# KiCad board 0xaxe.kicad_pcb (continued)
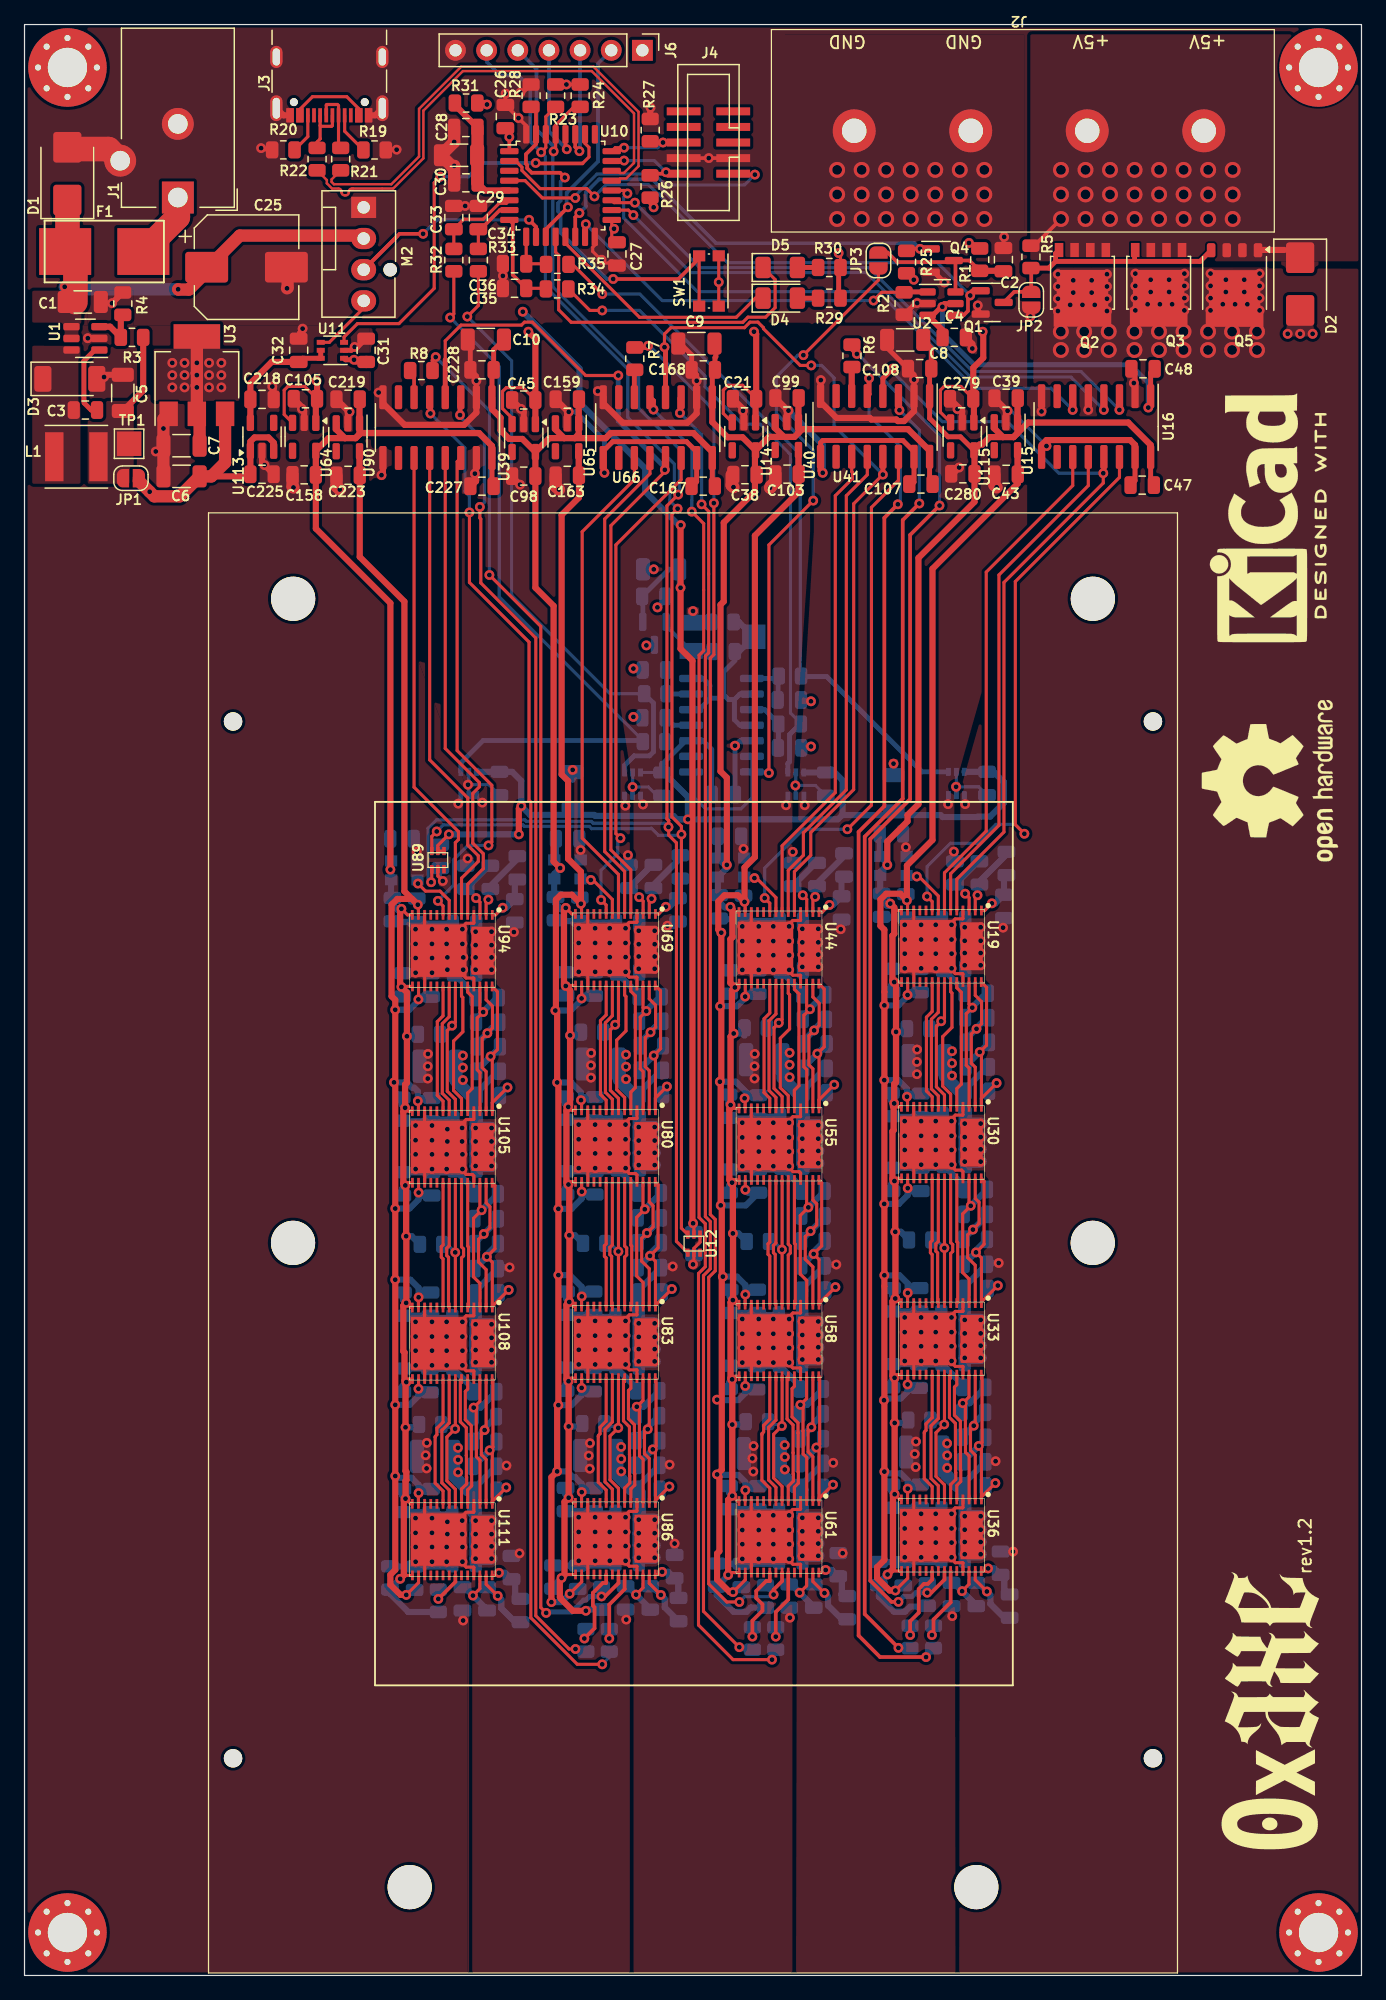
[diagram p0: board, top side]
## Routing (per net, layer and track width the routed paths; a pad name or vN(x,y) marks a point on that pad's centre or on a via; arc(x,y) is an arc through that point) (continued)
  Top w0.4: C8.2 70.33,132.66 C108.2 72.52,130.47 U41.2 ; U16.15 90.54,121.83 C47.2
  Top w0.5: v1(64.92,130.02) 64.9,130 U41.8 64.9,128.24 66.2,126.94 68.92,126.94 69.04,126.81 71.07,126.81 71.2,126.68 71.71,126.68 72.52,127.49 U41.2 ; U115.2 76.45,127.5 C279.2 ; U16.9 82.92,124.73 83.32,125.14 90.14,125.14 90.54,124.73 U16.15 ; v1(76.2,122.9) 75.7,122.4 75.55,122.4
  Top w0.508: C39.2 80.01,127.61 U15.2
  Top w1: v1(79.25,121.28) 79.08,121.46 C43.2
  Bottom w0.254: v1(75.29,95.46) 75.32,95.49 U4.3 ; v1(80.15,127.52) 80.45,127.52 v1(83.32,124.65) ; v1(63.61,95.37) 63.53,95.45 U5.1
  Bottom w0.508: C51.2 74.57,65.82 C58.1 C71.2 ; C51.2 76.57,64.39 C87.2 ; C51.2 C72.2 C62.2 73.21,70.11 C68.1 70.69,69.97 C85.2 ; C148.2 63.4,56 64.39,56.99 ; C97.2 75.58,29.34 v1(75.64,29.29) ; 76.5,80.05 76.5,80.38 C50.2 74.75,82.03 74.65,82.03 74.35,82.33 74.05,82.03 C55.1 73.01,82.04 72.95,82.33 C86.2 ; C73.2 C64.1 73.14,53.95 74.73,53.95 74.68,53.9 74.68,49.95 ; 74.35,85.33 74.85,85.83 74.85,86.03 C59.2 72,86.08 C53.1 71.84,86.22 69.93,86.22 C78.2 ; 64.39,56.99 C137.1 ; 64.39,56.99 65.33,57.94 v1(66.19,57.94) ; v1(75.77,91.59) 75.85,91.51 C41.1 ; C92.2 76.44,48.19 74.68,49.95 ; 74.68,49.95 74.52,49.79 C66.1 72.89,49.82 C83.2 ; C122.1 C132.1 C111.1 ; C80.2 C61.1 73.2,37.94 C54.2 C76.2 C65.2 74.51,33.68 69.69,33.68 69.67,33.7 ; C106.2 66.61,85.34 v1(66.54,85.27) ; 75.25,83.83 74.8,84.03 C70.2 ; v1(63.41,35.2) 63.42,35.21 C136.1 63.42,36.19 v1(63.41,36.2) ; v1(63.41,37.3) 63.42,37.31 C114.1 63.2,38.03 63.2,39.83 C149.1 65.88,41.73 v1(65.93,41.78) ; C119.1 63.46,84 C130.1 63.51,82 C110.1 ; v1(66.7,34.42) 66.7,34.42 C154.1 ; U13.2 71.91,91.89 v1(71.85,91.95) ; C125.1 63.42,34.19 v1(63.41,34.2) ; 63.34,49.82 63.34,51.82 63.39,51.87 63.39,53.82 ; 65.26,73.93 63.37,72.04 63.37,71.94
  Bottom w1: v1(64.71,37.3) v1(63.41,37.3) v1(63.41,36.2) ; v1(63.41,36.2) v1(63.41,35.2) ; v1(63.41,36.2) v1(64.71,36.2) ; v1(63.41,35.2) v1(64.71,35.2) ; v1(63.41,35.2) v1(63.41,34.2) v1(64.71,34.2) ; C114.1 63.42,39.56 C153.2 62.81,39.77 61.59,40.99 61.59,42.3 ; v1(63.41,51.2) v1(64.71,51.2) ; v1(63.41,51.2) v1(63.41,50.2) v1(64.71,50.2) ; v1(63.41,51.2) v1(63.41,52.2) ; v1(63.41,68.2) v1(64.71,68.2) ; v1(63.41,68.2) v1(63.41,67.2) ; v1(63.41,68.2) v1(63.41,69.3) ; v1(63.41,69.3) v1(64.71,69.3) ; v1(63.41,69.3) 63.41,71.9 63.37,71.94 ; v1(63.41,52.2) v1(63.41,53.3) v1(64.71,53.3) ; v1(63.41,52.2) v1(64.71,52.2) ; v1(63.41,67.2) v1(63.41,66.2) v1(64.71,66.2) ; v1(63.41,67.2) v1(64.71,67.2) ; C122.1 63.37,70.12 63.37,71.94 ; C148.2 63.39,55.85 63.39,53.82 ; 63.37,71.94 62.99,71.94 61.79,73.15
  vias: v1(61.98,43.23) v1(61.98,42.25) v1(61.98,41.24) v1(62.38,75.2) v1(62.38,74.22) v1(62.38,73.2) v1(63.41,85.3) v1(63.41,84.2) v1(63.41,83.2) v1(63.41,82.2) v1(64.71,85.3) v1(64.71,84.2) v1(64.71,83.2) v1(64.71,82.2) v1(71.76,85.63) v1(71.76,84.43) v1(71.76,83.28) v1(71.76,82.08) v1(71.76,69.63) v1(71.76,68.43) v1(71.76,67.28) v1(71.76,66.08) v1(71.76,53.63) v1(71.76,52.43) v1(71.76,51.28) v1(71.76,50.08) v1(71.76,37.63) v1(71.76,36.43) v1(71.76,35.28) v1(71.76,34.08) v1(72.52,130.07) v1(72.58,42.5) v1(72.67,43.51) v1(72.66,41.43) v1(72.77,75.46) v1(72.75,74.46) v1(72.75,73.46) v1(73.1,85.63) v1(73.1,84.43) v1(73.1,83.28) v1(73.1,82.08) v1(73.1,69.63) v1(73.1,68.43) v1(73.1,67.28) v1(73.1,66.08) v1(73.1,53.63) v1(73.1,52.43) v1(73.1,51.28) v1(73.1,50.08) v1(73.1,37.63) v1(73.1,36.43) v1(73.1,35.28) v1(73.1,34.08) v1(74.29,85.63) v1(74.29,84.43) v1(74.29,83.28) v1(74.29,82.08) v1(74.29,69.63) v1(74.29,68.43) v1(74.29,67.28) v1(74.29,66.08) v1(74.29,53.63) v1(74.29,52.43) v1(74.29,51.28) v1(74.29,50.08) v1(74.29,37.63) v1(74.29,36.43) v1(74.29,35.28) v1(74.29,34.08) v1(75.58,85.63) v1(75.58,84.43) v1(75.58,83.28) v1(75.58,82.08) v1(75.58,69.63) v1(75.58,68.43) v1(75.58,67.28) v1(75.58,66.08) v1(75.58,53.63) v1(75.58,52.43) v1(75.58,51.28) v1(75.58,50.08) v1(75.58,37.63) v1(75.58,36.43) v1(75.58,35.28) v1(75.58,34.08) v1(76.06,127.66)
V2_G1: length 238
  Top w0.254: U61.30 62.65,33.51 63.24,33.51 63.27,33.48 U61.25 ; U61.30 59.25,36.9 U61.12 ; U61.30 62.63,37.98 63.23,37.98 63.27,38.02 U61.4 ; U61.30 59.26,34.61 U61.17 ; 61.26,50.83 61.26,50.83 ; U55.30 59.26,66.61 U55.17 ; U55.30 62.65,65.51 63.16,65.51 63.27,65.4 U55.25 ; U55.30 59.25,68.9 U55.12 ; U55.30 62.65,69.99 63.24,69.99 63.27,70.02 U55.4 ; U58.30 62.65,53.99 63.24,53.99 63.27,54.02 U58.4 ; U58.30 62.65,49.51 63.24,49.51 63.27,49.48 U58.25 ; U58.30 59.25,52.9 U58.12 ; U58.30 59.26,50.61 U58.17 ; U44.30 60.86,84.2 61.11,84.2 61.11,84.46 61.95,85.3 62.41,85.3 62.41,85.76 62.63,85.98 63.23,85.98 63.27,86.02 U44.4 ; U44.30 59.25,84.9 ; U44.30 60.95,83.2 61.11,83.2 61.11,83.04 62.63,81.52 63.23,81.52 63.27,81.48 U44.25 ; U44.30 59.86,83.2 59.71,83.2 59.71,83.06 59.26,82.61 U44.17 ; U44.30 59.95,84.2 59.71,84.2 59.71,84.44 59.25,84.9 ; 61.26,65.83 61.26,65.83 ; 59.25,84.9 U44.12 ; 59.25,84.9 59.71,85.2
  Top w0.4: 72.38,121.56 72.52,121.71 U41.15 72.52,124.2 71.61,125.1 65.09,125.1 64.9,124.91 U41.9 ; U66.2 54.8,130.45 C168.2 54.39,132.08 53.3,133.16
  Top w0.5: U41.9 64.9,122.64 v1(65.08,122.47) ; U66.2 54.8,127.31 54.03,126.54 48.78,126.54 47.18,128.14 U66.8 ; U14.2 58.65,127.45 v1(58.58,127.53) 58.58,127.67 C21.2 57.7,128.45
  Top w0.508: C99.2 62.15,127.63 U40.2
  Top w1: C103.2 61.22,121.74 60.84,121.37 60.84,121.31 v1(60.78,121.24) ; 57.65,122.3 57.65,121.45 v1(57.8,121.3)
  Bottom w0.254: U5.3 62.23,95.52 v1(62.09,95.37) ; v1(50.42,95.44) 50.22,95.63 U6.1
  Bottom w0.5: v1(65.08,122.47) 65.08,124.74 v1(62.28,127.54)
  Bottom w0.508: 50.05,53.67 50.05,51.72 50,51.67 50,49.67 ; 51.05,56.84 50.06,55.85 C208.2 ; 51.05,56.84 C197.1 ; 51.05,56.84 51.99,57.78 v1(52.85,57.78) ; C182.1 C192.1 C171.1 ; 62.01,83.7 61.56,83.9 C130.2 ; 61.44,49.82 63.2,48.06 C152.2 ; 61.44,49.82 61.28,49.66 C126.1 59.65,49.69 C143.2 ; 61.44,49.82 61.44,53.77 61.49,53.82 59.9,53.82 C124.1 C133.2 ; C135.2 56.45,33.55 C120.1 61.27,33.55 C125.2 C136.2 C114.2 59.97,37.81 C121.1 C140.2 ; v1(52.41,85.56) 52.93,85.56 C166.2 ; v1(62.4,29.16) 62.34,29.21 C157.2 ; 50.03,71.79 50.03,71.88 51.92,73.77 ; C131.2 C118.1 61.33,65.69 C111.2 ; C111.2 C132.2 C122.2 59.97,69.98 C128.1 57.45,69.84 C145.2 ; C111.2 63.33,64.26 C147.2 ; C179.1 50.12,83.85 C190.1 50.17,81.85 C170.1 ; C101.1 62.61,91.56 v1(62.63,91.58) ; C146.2 59.71,82.2 59.77,81.92 C115.1 60.81,81.9 61.11,82.2 61.41,81.9 61.51,81.9 C110.2 63.26,80.25 63.26,79.93 ; v1(50.07,36.05) 50.08,36.04 C196.1 50.08,35.05 v1(50.07,35.05) ; C214.1 53,35.2 v1(53,35.2) ; v1(50.07,37.15) 50.08,37.15 C174.1 49.86,37.87 49.86,39.68 C209.1 52.54,41.58 v1(52.59,41.63) ; U38.2 58.67,91.76 v1(58.62,91.82) ; v1(50.07,34.05) 50.08,34.04 C185.1 ; 61.11,85.2 61.61,85.7 61.61,85.9 C119.2 58.76,85.95 C113.1 58.6,86.09 56.69,86.09 C138.2
  Bottom w1: v1(50.07,35.05) v1(50.07,34.05) v1(51.37,34.05) ; v1(50.07,35.05) v1(51.37,35.05) ; v1(50.07,35.05) v1(50.07,36.05) ; 50.03,71.79 49.65,71.79 48.45,72.99 ; 50.03,71.79 50.03,69.97 C182.1 ; 50.03,71.79 50.07,71.75 v1(50.07,69.15) ; v1(50.07,36.05) v1(51.37,36.05) ; v1(50.07,36.05) v1(50.07,37.15) v1(51.37,37.15) ; C208.2 50.05,55.69 50.05,53.67 ; v1(50.07,67.05) v1(51.37,67.05) ; v1(50.07,67.05) v1(50.07,66.05) v1(51.37,66.05) ; v1(50.07,67.05) v1(50.07,68.05) ; v1(50.07,51.05) v1(51.37,51.05) ; v1(50.07,51.05) v1(50.07,50.05) v1(51.37,50.05) ; v1(50.07,51.05) v1(50.07,52.05) ; C174.1 50.15,37.72 50.15,39.34 C213.2 49.47,39.62 48.25,40.84 48.25,42.15 ; v1(51.37,53.15) v1(50.07,53.15) v1(50.07,52.05) ; v1(50.07,52.05) v1(51.37,52.05) ; v1(50.07,68.05) v1(50.07,69.15) ; v1(50.07,68.05) v1(51.37,68.05) ; v1(50.07,69.15) v1(51.37,69.15)
  vias: v1(46.74,129.13) v1(48.64,43.08) v1(48.65,42.1) v1(48.65,41.08) v1(49.04,75.04) v1(49.04,74.07) v1(49.04,73.05) v1(50.07,85.15) v1(50.07,84.05) v1(50.07,83.05) v1(50.07,82.05) v1(51.37,85.15) v1(51.37,84.05) v1(51.37,83.05) v1(51.37,82.05) v1(54.8,129.97) v1(58.52,85.5) v1(58.52,84.3) v1(58.52,83.15) v1(58.52,81.95) v1(58.52,69.5) v1(58.52,68.3) v1(58.52,67.15) v1(58.52,65.95) v1(58.52,53.5) v1(58.52,52.3) v1(58.52,51.15) v1(58.52,49.95) v1(58.52,37.5) v1(58.52,36.3) v1(58.52,35.15) v1(58.52,33.95) v1(59.34,42.14) v1(59.43,43.15) v1(59.42,41.07) v1(59.53,75.11) v1(59.51,74.1) v1(59.51,73.1) v1(59.86,85.5) v1(59.86,84.3) v1(59.86,83.15) v1(59.86,81.95) v1(59.86,69.5) v1(59.86,68.3) v1(59.86,67.15) v1(59.86,65.95) v1(59.86,53.5) v1(59.86,52.3) v1(59.86,51.15) v1(59.86,49.95) v1(59.86,37.5) v1(59.86,36.3) v1(59.86,35.15) v1(59.86,33.95) v1(61.05,85.5) v1(61.05,84.3) v1(61.05,69.5) v1(61.05,68.3) v1(61.05,53.5) v1(61.05,52.3) v1(61.05,37.5) v1(61.05,36.3) v1(61.05,83.15) v1(61.05,81.95) v1(61.05,67.15) v1(61.05,65.95) v1(61.05,51.15) v1(61.05,49.95) v1(61.05,35.15) v1(61.05,33.95) v1(62.34,85.5) v1(62.34,84.3) v1(62.34,83.15) v1(62.34,81.95) v1(62.34,69.5) v1(62.34,68.3) v1(62.34,67.15) v1(62.34,65.95) v1(62.34,53.5) v1(62.34,52.3) v1(62.34,51.15) v1(62.34,49.95) v1(62.34,37.5) v1(62.34,36.3) v1(62.34,35.15) v1(62.34,33.95)
V3_G2: length 237.1
  Top w0.254: U83.25 49.93,49.33 49.91,49.36 49.31,49.36 U83.30 ; U86.30 49.31,33.36 49.91,33.36 49.93,33.33 U86.25 ; U86.30 45.92,34.45 U86.17 ; U86.30 45.92,36.75 U86.12 ; U86.30 49.3,37.83 49.89,37.83 49.93,37.86 U86.4 ; U69.30 47.62,83.05 47.77,83.05 47.77,82.89 49.3,81.37 49.89,81.37 49.93,81.33 U69.25 ; U69.30 47.52,84.05 47.77,84.05 47.77,84.3 48.62,85.15 49.07,85.15 49.07,85.6 49.3,85.83 49.89,85.83 49.93,85.86 U69.4 ; U69.30 46.52,83.05 46.37,83.05 46.37,82.9 45.92,82.45 U69.17 ; U69.30 45.92,84.75 ; U69.30 46.62,84.05 46.37,84.05 46.37,84.29 45.92,84.75 ; U80.30 45.92,66.45 U80.17 ; U80.30 49.31,65.36 49.82,65.36 49.93,65.24 U80.25 ; U80.30 45.92,68.75 U80.12 ; U80.30 49.31,69.84 49.91,69.84 49.93,69.86 U80.4 ; 45.92,84.75 U69.12 ; 45.92,84.75 46.37,85.05 ; U83.12 45.92,52.75 U83.30 ; U83.30 49.31,53.84 49.91,53.84 49.93,53.86 U83.4 ; U83.30 45.92,50.45 U83.17
  Top w0.4: v1(47.28,122.47) 47.18,122.56 U66.9 47.18,124.23 47.95,125 53.98,125 54.8,124.18 U66.15 54.8,121.74 54.43,121.38 ; 36.46,133.16 36.35,133.05 C228.2 36.84,130.36 U91.2
  Top w0.5: C45.2 v1(40.47,127.67) 40.7,127.45 U39.2 ; U91.8 29.22,128.14 30.99,126.37 35.84,126.37 36.84,127.38 U91.2 ; v1(40.4,121.5) 39.75,122.15 C98.2
  Top w0.508: C159.2 44.23,127.53 U65.2
  Top w1: C163.2 43.3,121.37 v1(43.57,121.1)
  Bottom w0.254: U7.1 36.87,96.04 v1(37.32,95.59) ; v1(48.99,95.33) 48.92,95.4 U6.3
  Bottom w0.4: v1(44.37,127.43) 44.95,127.43 47.28,125.11 v1(47.28,122.47)
  Bottom w0.508: C193.2 C184.1 46.56,53.67 48.15,53.67 48.1,53.62 48.1,49.67 ; 37.75,56.76 38.69,57.71 v1(39.55,57.71) ; 37.75,56.76 36.76,55.77 C268.2 ; 37.75,56.76 C257.1 ; 48.67,83.55 48.22,83.75 C190.2 ; C200.2 C181.1 46.63,37.65 C174.2 C196.2 C185.2 47.93,33.4 C180.1 43.11,33.4 C195.2 ; C274.1 40.14,34.19 v1(40.35,34.4) ; v1(36.77,34.97) 36.78,34.98 C256.1 36.78,35.96 v1(36.77,35.97) ; C212.2 49.86,47.91 48.1,49.67 ; v1(39.9,85.04) 39.97,85.11 C226.2 ; C203.2 46.31,49.54 C186.1 47.94,49.5 48.1,49.67 ; v1(39.29,41.55) 39.24,41.5 C269.1 36.56,39.6 36.56,37.8 C234.1 36.78,37.08 v1(36.77,37.07) ; C205.2 44.11,69.69 C188.1 46.64,69.83 C182.2 C192.2 C171.2 ; 36.75,53.59 36.75,51.64 36.7,51.59 36.7,49.59 ; v1(49.2,91.3) 49.27,91.23 C161.1 ; C171.2 49.99,64.11 C207.2 ; C171.2 47.99,65.54 C178.1 C191.2 ; C242.1 C252.1 C231.1 ; U63.2 45.34,91.72 v1(45.33,91.72) ; v1(49.06,29) 49,29.06 C217.2 ; 36.73,71.71 36.73,71.81 38.62,73.7 ; 47.77,85.05 48.27,85.55 48.27,85.75 C179.2 45.42,85.8 C173.1 45.27,85.93 43.36,85.93 C198.2 ; v1(36.77,33.97) 36.78,33.96 C245.1 ; C239.1 36.82,83.77 C250.1 36.87,81.77 C230.1 ; C206.2 46.37,82.05 46.43,81.76 C175.1 47.47,81.75 47.77,82.05 48.07,81.75 48.17,81.75 C170.2 49.92,80.1 49.92,79.77
  Bottom w1: v1(36.77,69.07) 36.77,71.67 36.73,71.71 ; v1(36.77,69.07) v1(38.07,69.07) ; v1(36.77,69.07) v1(36.77,67.97) ; v1(38.07,65.97) v1(36.77,65.97) v1(36.77,66.97) ; v1(38.07,49.97) v1(36.77,49.97) v1(36.77,50.97) ; v1(38.07,37.07) v1(36.77,37.07) v1(36.77,35.97) ; v1(36.77,66.97) v1(36.77,67.97) ; v1(36.77,66.97) v1(38.07,66.97) ; v1(36.77,67.97) v1(38.07,67.97) ; v1(36.77,35.97) v1(36.77,34.97) ; v1(36.77,35.97) v1(38.07,35.97) ; v1(36.77,34.97) v1(36.77,33.97) v1(38.07,33.97) ; v1(36.77,34.97) v1(38.07,34.97) ; v1(38.07,53.07) v1(36.77,53.07) v1(36.77,51.97) ; v1(36.77,50.97) v1(38.07,50.97) ; v1(36.77,50.97) v1(36.77,51.97) ; v1(36.77,51.97) v1(38.07,51.97) ; 34.95,42.07 34.95,40.76 36.17,39.54 C273.2 36.57,37.79 C234.1 ; 36.73,71.71 36.73,69.89 C242.1 ; 36.73,71.71 36.35,71.71 35.15,72.92 ; C268.2 36.75,55.62 36.75,53.59
  vias: v1(28.87,129.01) v1(35.34,43) v1(35.35,42.02) v1(35.35,41.01) v1(35.74,74.97) v1(35.74,73.99) v1(35.74,72.97) v1(36.84,129.97) v1(36.77,85.07) v1(36.77,83.97) v1(36.77,82.97) v1(36.77,81.97) v1(38.07,85.07) v1(38.07,83.97) v1(38.07,82.97) v1(38.07,81.97) v1(45.18,85.35) v1(45.18,84.15) v1(45.18,83) v1(45.18,81.8) v1(45.18,69.35) v1(45.18,68.15) v1(45.18,67) v1(45.18,65.8) v1(45.18,53.35) v1(45.18,52.15) v1(45.18,51) v1(45.18,49.8) v1(45.18,37.35) v1(45.18,36.15) v1(45.18,35) v1(45.18,33.8) v1(46,42.37) v1(46.1,43.38) v1(46.08,41.3) v1(46.19,75.18) v1(46.17,74.17) v1(46.17,73.17) v1(46.52,85.35) v1(46.52,84.15) v1(46.52,83) v1(46.52,81.8) v1(46.52,69.35) v1(46.52,68.15) v1(46.52,67) v1(46.52,65.8) v1(46.52,53.35) v1(46.52,52.15) v1(46.52,51) v1(46.52,49.8) v1(46.52,37.35) v1(46.52,36.15) v1(46.52,35) v1(46.52,33.8) v1(47.71,85.35) v1(47.71,84.15) v1(47.71,83) v1(47.71,81.8) v1(47.71,69.35) v1(47.71,68.15) v1(47.71,67) v1(47.71,65.8) v1(47.71,53.35) v1(47.71,52.15) v1(47.71,51) v1(47.71,49.8) v1(47.71,37.35) v1(47.71,36.15) v1(47.71,35) v1(47.71,33.8) v1(49,85.35) v1(49,84.15) v1(49,83) v1(49,81.8) v1(49,69.35) v1(49,68.15) v1(49,67) v1(49,65.8) v1(49,53.35) v1(49,52.15) v1(49,51) v1(49,49.8) v1(49,37.35) v1(49,36.15) v1(49,35) v1(49,33.8)
/flex/BO_0: length 113.6
  Top w0.3: v1(73.5,25.95) 69.75,25.95 68,27.7 68,93.2 70.1,95.3 70.1,118.8 v1(71.2,119.9)
  Top w0.4: U41.5 68.86,128.87 v1(68.86,130.17)
  Bottom w0.254: v1(68.86,130.17) 68.86,127.14 71.4,124.6 71.4,120.1 v1(71.2,119.9)
  Bottom w0.3: R9.2 74.11,26.56 v1(73.5,25.95)
/flex/BO_1: length 110.6
  Top w0.254: v1(60.94,25.74) 57.77,25.74 54.95,28.56 54.95,57.21 55.5,57.76 55.5,61.27 55,61.77 55,107.59 55.37,107.97 55.37,118.33 v1(54.4,119.3)
  Top w0.4: U66.5 51.28,128.34 v1(51.28,127.62)
  Bottom w0.254: v1(60.94,25.74) 60.94,26.25 R11.2 ; v1(51.28,127.62) 54.41,124.49 54.41,120.21 54.4,120.2 v1(54.4,119.3)
/flex/BO_2: length 111.6
  Top w0.254: v1(47.1,25.36) 45.07,25.36 41.28,29.15 41.28,95.62 41.13,95.77 41.13,108.67 36.27,113.53 v1(36.27,119.24)
  Top w0.4: v1(33.09,127.3) 33.09,128.56 U91.5
  Bottom w0.254: R13.2 47.67,25.93 v1(47.1,25.36) ; v1(36.27,119.24) 36.27,120.57 35.9,120.94 35.9,124.49 v1(33.09,127.3)
/flex/CO_0: length 106.7
  Top w0.3: v1(72.95,119.97) 71.6,118.61 71.6,95.91 68.5,92.81 68.5,29.45 v1(71.25,26.7)
  Top w0.4: v1(71.33,127.57) 71.25,127.65 U41.3
  Bottom w0.254: v1(71.33,127.57) 72.95,125.95 v1(72.95,119.97)
  Bottom w0.3: R10.2 71.27,26.68 v1(71.25,26.7)
/flex/CO_1: length 105.7
  Top w0.254: v1(55.2,119.9) 55.78,119.32 55.78,107.8 55.51,107.53 55.51,61.85 55.91,61.45 55.91,57.6 55.36,57.04 55.36,29.68 v1(58.28,26.75)
  Top w0.4: v1(53.44,127.34) 53.44,128.53 U66.3
  Bottom w0.254: v1(55.2,119.9) 55.2,125.58 v1(53.44,127.34) ; v1(58.28,26.75) 58.48,26.55 R12.2
/flex/CO_2: length 107.5
  Top w0.254: v1(37.12,119.68) 37.12,118.78 37.2,118.7 37.2,113.49 41.68,109.01 41.68,29.32 44.39,26.61 v1(44.92,26.61)
  Top w0.4: v1(35.5,127.17) 35.5,128.56 U91.3
  Bottom w0.254: v1(44.92,26.61) 45.13,26.4 R14.2 ; v1(37.12,119.68) 37.49,120.06 37.49,125.06 35.5,127.05 v1(35.5,127.17)
/flex/flex1/BO: length 6.7
  Top w0.3: v1(73.98,27.74) 74.11,27.87 74.11,29.01 75.5,30.41 U36.23
  Bottom w0.3: v1(73.98,27.74) 73.98,28.38 R9.1
/flex/flex1/CLKI: length 4.5
  Top w0.254: v1(72.75,89.57) 72.91,89.57 74.5,87.98 U19.8
  Bottom w0.254: U13.3 72,89.57 v1(72.75,89.57)
/flex/flex1/CO: length 6.9
  Top w0.3: U36.20 74,32.27 73.64,31.91 73.32,31.91 72.9,31.49 72.9,30.91 72.9,30.9 72.9,29.56 72.2,28.86 v1(72.2,27.74)
  Bottom w0.3: v1(72.2,27.74) R10.1
/flex/flex1/I_BI: length 41.7
  Top w0.254: 86.68,123.71 U16.12 86.73,121.43 79.44,114.14 79.44,93.73 75.5,89.79 U19.6
/flex/flex1/I_CI: length 48
  Top w0.254: U19.9 74,87.52 v1(73.58,87.94) ; v1(81.52,93.05) 80.78,93.79 80.78,113.61 89.27,122.1 U16.14
  Bottom w0.254: v1(73.58,87.94) 73.58,90.37 75.48,92.27 77.66,92.27 79.2,93.81 80.75,93.81 v1(81.52,93.05)
/flex/flex1/I_RO: length 41.4
  Top w0.254: U19.7 75,89.87 78.41,93.27 78.41,114.37 85.46,121.43 U16.11 85.54,123.68
/flex/flex2/BO: length 6.4
  Top w0.3: U61.23 62.27,30.64 61.25,29.62 v1(61.25,27.61)
  Bottom w0.3: v1(61.25,27.61) R11.1
/flex/flex2/CLKI: length 4.5
  Top w0.254: v1(59.51,89.44) 59.68,89.44 61.26,87.85 U44.8
  Bottom w0.254: v1(59.51,89.44) 58.76,89.44 U38.3
/flex/flex2/CO: length 7.2
  Top w0.3: v1(59.34,27.61) 59.34,28.91 60.16,29.73 60.16,30.25 59.66,30.75 59.66,31.33 60.46,32.14 60.76,32.14 U61.20
  Bottom w0.3: v1(59.34,27.61) R12.1
/flex/flex2/I_BI: length 39.9
  Top w0.254: U44.6 62.27,90.07 63.5,91.3 63.5,93.13 67,96.63 67,120.6 68.71,122.31 U41.12 68.66,123.73
/flex/flex2/I_CI: length 43.9
  Top w0.254: U44.9 60.76,87.39 v1(60.34,87.81) ; U41.14 71.25,121.85 69.05,119.65 69.05,95.38 v1(67.09,93.42)
  Bottom w0.254: v1(67.09,93.42) 63.51,93.42 60.34,90.25 v1(60.34,87.81)
/flex/flex2/I_RO: length 39.6
  Top w0.254: 67.52,123.7 U41.11 67.44,122.56 67.5,122.5 67.5,122 66.1,120.6 66.1,96.4 61.76,92.07 U44.7
/flex/flex2/RO: length 2.4
  Top w0.5: R6.2 67.44,131.07 U41.6
/flex/flex3/BO: length 6.5
  Top w0.3: U86.23 48.93,31.48 47.67,30.23 v1(47.67,27.46)
  Bottom w0.3: v1(47.67,27.46) R13.1
/flex/flex3/CLKI: length 4.5
  Top w0.254: U69.8 47.92,87.7 46.34,89.28 v1(46.17,89.28)
  Bottom w0.254: U63.3 45.42,89.28 v1(46.17,89.28)
/flex/flex3/CO: length 7
  Top w0.3: U86.20 47.42,31.98 47.14,31.98 46.34,31.18 46.34,30.15 46.47,30.01 46.47,28.29 v1(45.64,27.46)
  Bottom w0.3: v1(45.64,27.46) 45.64,28.09 R14.1
/flex/flex3/I_BI: length 39.7
  Top w0.254: 50.89,123.38 51.11,123.6 ; 50.94,123.62 U66.12 50.99,122.39 47.3,118.7 47.3,91.6 48.93,89.97 U69.6
/flex/flex3/I_CI: length 40.3
  Top w0.254: v1(47,87.65) 47.42,87.24 U69.9 ; v1(48.58,92.69) 48.21,93.06 48.21,116.59 53.53,121.91 U66.14
  Bottom w0.254: v1(47,87.65) 47,90.07 48.37,91.44 48.37,92.47 v1(48.58,92.69)
/flex/flex3/I_RO: length 40.3
  Top w0.254: 48.42,86.51 48.42,89.73 45.46,92.69 45.46,117.66 49.72,121.92 U66.11 49.8,123.6
/flex/flex3/RO: length 2.2
  Top w0.4: R7.2 49.72,130.83 U66.6
/flex/flex4/CLKI: length 4.6
  Top w0.254: 34.62,86.44 34.62,87.62 33.87,88.37 32.69,88.37 v1(32.07,88.99)
  Bottom w0.254: U88.3 32.07,89.26 v1(32.07,88.99)
/flex/flex4/I_BI: length 39.5
  Top w0.254: 32.98,123.62 U91.12 33.03,99.07 36.14,95.96 36.14,92.11 37,91.26 37,90.8 35.63,89.43 U94.6
/flex/flex4/I_CI: length 41.5
  Top w0.254: v1(33.7,87.58) 34.12,87.16 U94.9 ; v1(37.83,92.1) 38.1,92.37 38.1,97 35.27,99.83 35.27,123.37 U91.14
  Bottom w0.254: v1(37.83,92.1) 36.15,92.1 34.97,90.92 34.97,88.84 v1(33.7,87.58)
/flex/flex4/I_NRSTI: length 39.5
  Top w0.254: U94.5 36.13,88.94 37.4,90.21 37.4,91.42 36.54,92.28 36.54,96.34 37.08,96.87 37.08,97.22 34.3,100 U91.13
/flex/flex4/I_RO: length 38.9
  Top w0.254: U94.7 35.12,92.33 35.38,92.58 35.38,93.22 31.76,96.84 U91.11 31.84,123.6
/flex/flex4/RI: length 3.3
  Top w0.3: U111.22 35.12,32.08 v1(33.74,30.69)
  Bottom w0.3: v1(33.74,30.69) R59.1
/flex/flex4/RO: length 2.3
  Top w0.3: R8.2 31.76,130.48 U91.6
/flex/NRSTO_0: length 65.5
  Top w0.254: v1(87.95,122.43) 87.95,121.63 79.85,113.53 79.85,93.19 76.01,89.35 76.01,86.8 ; 87.95,123.71 U16.13
  Top w0.4: v1(87.95,122.43) 88,122.48 U16.13 ; U41.4 69.98,130.15 v1(70.79,130.96)
  Bottom w0.254: 70.51,130.96 74.83,126.63 80.13,126.63 84.33,122.43 v1(87.95,122.43)
/flex/NRSTO_1: length 71
  Top w0.254: v1(69.98,122.32) 67.6,119.94 67.6,96.65 64.1,93.15 64.1,91.29 62.77,89.96 U44.5 ; v1(64.14,131.22) 63.24,131.22 60.25,134.21 60.25,134.29 59.79,134.75 59.15,134.75 58.7,134.29 52.7,134.29 52.18,133.77 v1(52.18,132.71)
  Top w0.4: U66.4 52.26,132.62 v1(52.18,132.71) ; U41.13 v1(69.98,122.32)
  Bottom w0.254: v1(64.14,131.22) 64.98,131.22 66,130.2 66,126.3 v1(69.98,122.32)
  Bottom w0.4: v1(52.18,132.71) 52.19,132.72
/flex/NRSTO_2: length 70.1
  Top w0.254: U69.5 49.43,90.11 47.81,91.73 47.81,118.16 52.2,122.56 v1(52.2,122.71) 52.26,122.76 U66.13 ; v1(48.41,130.4) 45.75,130.4 41.4,134.75 40.76,134.75 40.52,134.5 35.58,134.5 34.3,133.22 34.3,131.69
  Top w0.4: 34.3,131.69 U91.4
  Bottom w0.4: v1(48.41,130.4) 48.41,126.7 52.2,122.9 v1(52.2,122.71)
/flex/RESET: length 48
  Top w0.254: U10.18 49.23,143.88 v1(49.64,143.47) ; U16.4 88,127.6 v1(87.99,127.59)
  Bottom w0.254: v1(49.64,143.47) 54.32,138.78 68.61,138.78 77.14,130.26 85.32,130.26 v1(87.99,127.59)
/flex/RI_0: length 115.1
  Top w0.3: v1(74.6,119.8) 72.2,117.4 72.2,95.87 68.95,92.62 68.95,32.17 70.68,30.45 v1(71.25,30.45) ; v1(73.6,31.2) 73.93,31.2 75,32.27 U36.22
  Top w0.4: v1(67.86,132.15) 67.46,132.56 R6.1
  Bottom w0.254: v1(74.6,119.8) 74.6,125.49 67.94,132.15 v1(67.86,132.15)
  Bottom w0.3: v1(73.6,31.2) R41.1
  Bottom w0.4: v1(71.25,30.45) 71.68,30.88 72.36,30.88 72.67,31.2 v1(73.6,31.2)
/flex/RI_1: length 114.1
  Top w0.254: v1(58.28,30.44) 57.26,30.44 55.78,31.92 55.78,56.89 56.32,57.43 56.32,61.61 55.91,62.02 55.91,107.36 56.2,107.65 v1(56.2,120)
  Top w0.3: U61.22 61.76,32.14 61.07,31.44 v1(61.07,31.04)
  Top w0.4: R7.1 50.71,132.68 v1(50.84,132.82)
  Bottom w0.254: v1(58.28,30.44) 58.71,30.87 60.9,30.87 v1(61.07,31.04) ; v1(50.84,132.82) 50.95,132.82 56.2,127.57 v1(56.2,120)
  Bottom w0.3: 60.36,31.8 60.36,31.76 v1(61.07,31.04)
/flex/RI_2: length 115.8
  Top w0.254: v1(42.53,29.55) 42.09,29.99 42.09,109.95 v1(37.9,114.14) 37.9,114.2
  Top w0.3: v1(33.53,131.9) 33.26,131.64 R8.1 ; v1(47.04,30.89) 47.33,30.89 48.42,31.98 48.42,32.68
  Bottom w0.254: v1(37.9,114.14) 37.9,127.52 v1(33.53,131.9) ; 42.51,29.63 42.51,29.56 v1(42.53,29.55)
  Bottom w0.3: v1(47.04,30.89) R53.1
  Bottom w0.4: v1(47.04,30.89) 46.07,30.89 45.78,30.6 45.58,30.6 44.61,29.63 42.51,29.63
/flex/RXD: length 47.7
  Top w0.254: U16.6 85.46,127.6 v1(85.45,127.59) ; U10.20 48.9,145.48 v1(49.15,145.23)
  Bottom w0.254: v1(49.15,145.23) 48.85,144.93 48.85,143.24 54.86,137.23 69.59,137.23 77.47,129.36 83.69,129.36 v1(85.45,127.59)
/flex/TXD: length 49.6
  Top w0.254: U16.3 89.27,127.6 v1(89.26,127.59) ; U10.19 48.07,144.48 v1(49.76,144.48)
  Bottom w0.254: v1(49.76,144.48) 55.05,139.19 68.83,139.19 77.29,130.72 86.13,130.72 v1(89.26,127.59)
/flex/V_FLEX1: length 58.7
  Top w0.254: R35.2 44.68,139.45 v1(47.1,137.04)
  Bottom w0.254: 63.24,105.86 63.24,123.96 50.16,137.04 v1(47.1,137.04)
  Bottom w0.4: 63.24,105.86 65.41,105.86 73.17,98.1 U4.4
/flex/V_FLEX2: length 50.9
  Top w0.254: R34.2 46.09,135.7 v1(47.1,135.7)
  Bottom w0.254: 63.29,102.05 62.45,102.88 62.45,123.95 59.97,126.43 58.53,126.43 55.48,129.48 55.48,130.36 50.14,135.7 v1(47.1,135.7)
  Bottom w0.4: U5.4 62.23,98.77 62.37,98.92 62.37,101.13 63.29,102.05
/flex/V_FLEX3: length 50.8
  Top w0.254: R33.2 37,136.1 v1(36.1,135.2)
  Bottom w0.254: R17.1 47.74,104.46 39.71,112.49 39.71,131.59 v1(36.1,135.2)
  Bottom w0.4: R17.1 51.28,103.7 51.28,99.73 50.95,99.4 49.7,99.4 48.92,98.63 U6.4
/flex/V_FLEX4: length 61.2
  Top w0.254: R32.2 35,135.42 v1(34.7,135.12)
  Bottom w0.254: v1(34.7,135.12) 38.7,131.12 38.7,112.36 50.41,100.65
  Bottom w0.4: 50.41,100.65 37.4,100.65 35.57,98.82 U7.4
/Power/PWR_EN: length 31.8
  Top w0.254: v1(69.22,136.51) 69.89,137.18 R2.2 ; v1(45.76,142.73) 45.7,142.66 U10.15
  Top w0.4: R2.2 71.74,137.21 U2.1
  Bottom w0.254: v1(69.22,136.51) 51.99,136.51 v1(45.76,142.73)
/Power/Q: length 46.7
  Top w0.254: v1(46.47,144.99) 45.83,145.63 42.03,145.63 40.55,147.11 40.55,147.37 40.05,147.88 U10.2
  Top w0.3: U2.4 76.56,135.31 76.92,135.66 76.92,136.97 77.26,137.3 Q1.1
  Top w0.4: 77.94,137.28 Q1.1
  Bottom w0.254: v1(77.1,136.92) 74.42,139.6 57.3,139.6 51.7,145.2 51.62,145.2 50.86,145.96 47.43,145.96 v1(46.47,144.99)
/Power/SHUTDOWN: length 13.6
  Top w0.3: U2.6 75.9,139.63 Q4.3 ; 69.88,140.42 70.37,140.42 71.15,139.64 75.64,139.64 Q4.3 ; Q4.3 77.04,139.77 R1.1
  Top w0.5: 79.78,138.93 R1.1 77.62,139.18
/stm32/LED1: length 28.9
  Top w0.254: D5.1 61.2,138.22 61.2,135.93 60.42,135.15 58.98,135.15 58.56,134.73 44.57,134.73 43.55,135.75 43.55,140.2 43.3,140.45 U10.12
  Top w0.4: 60.02,139.24 60.06,139.2 ; D5.1 60.61,138.81
